# EAGLE board Mk4 Final a Panel score 2x5 (EAGLE 9.0.1), part 18 of 29
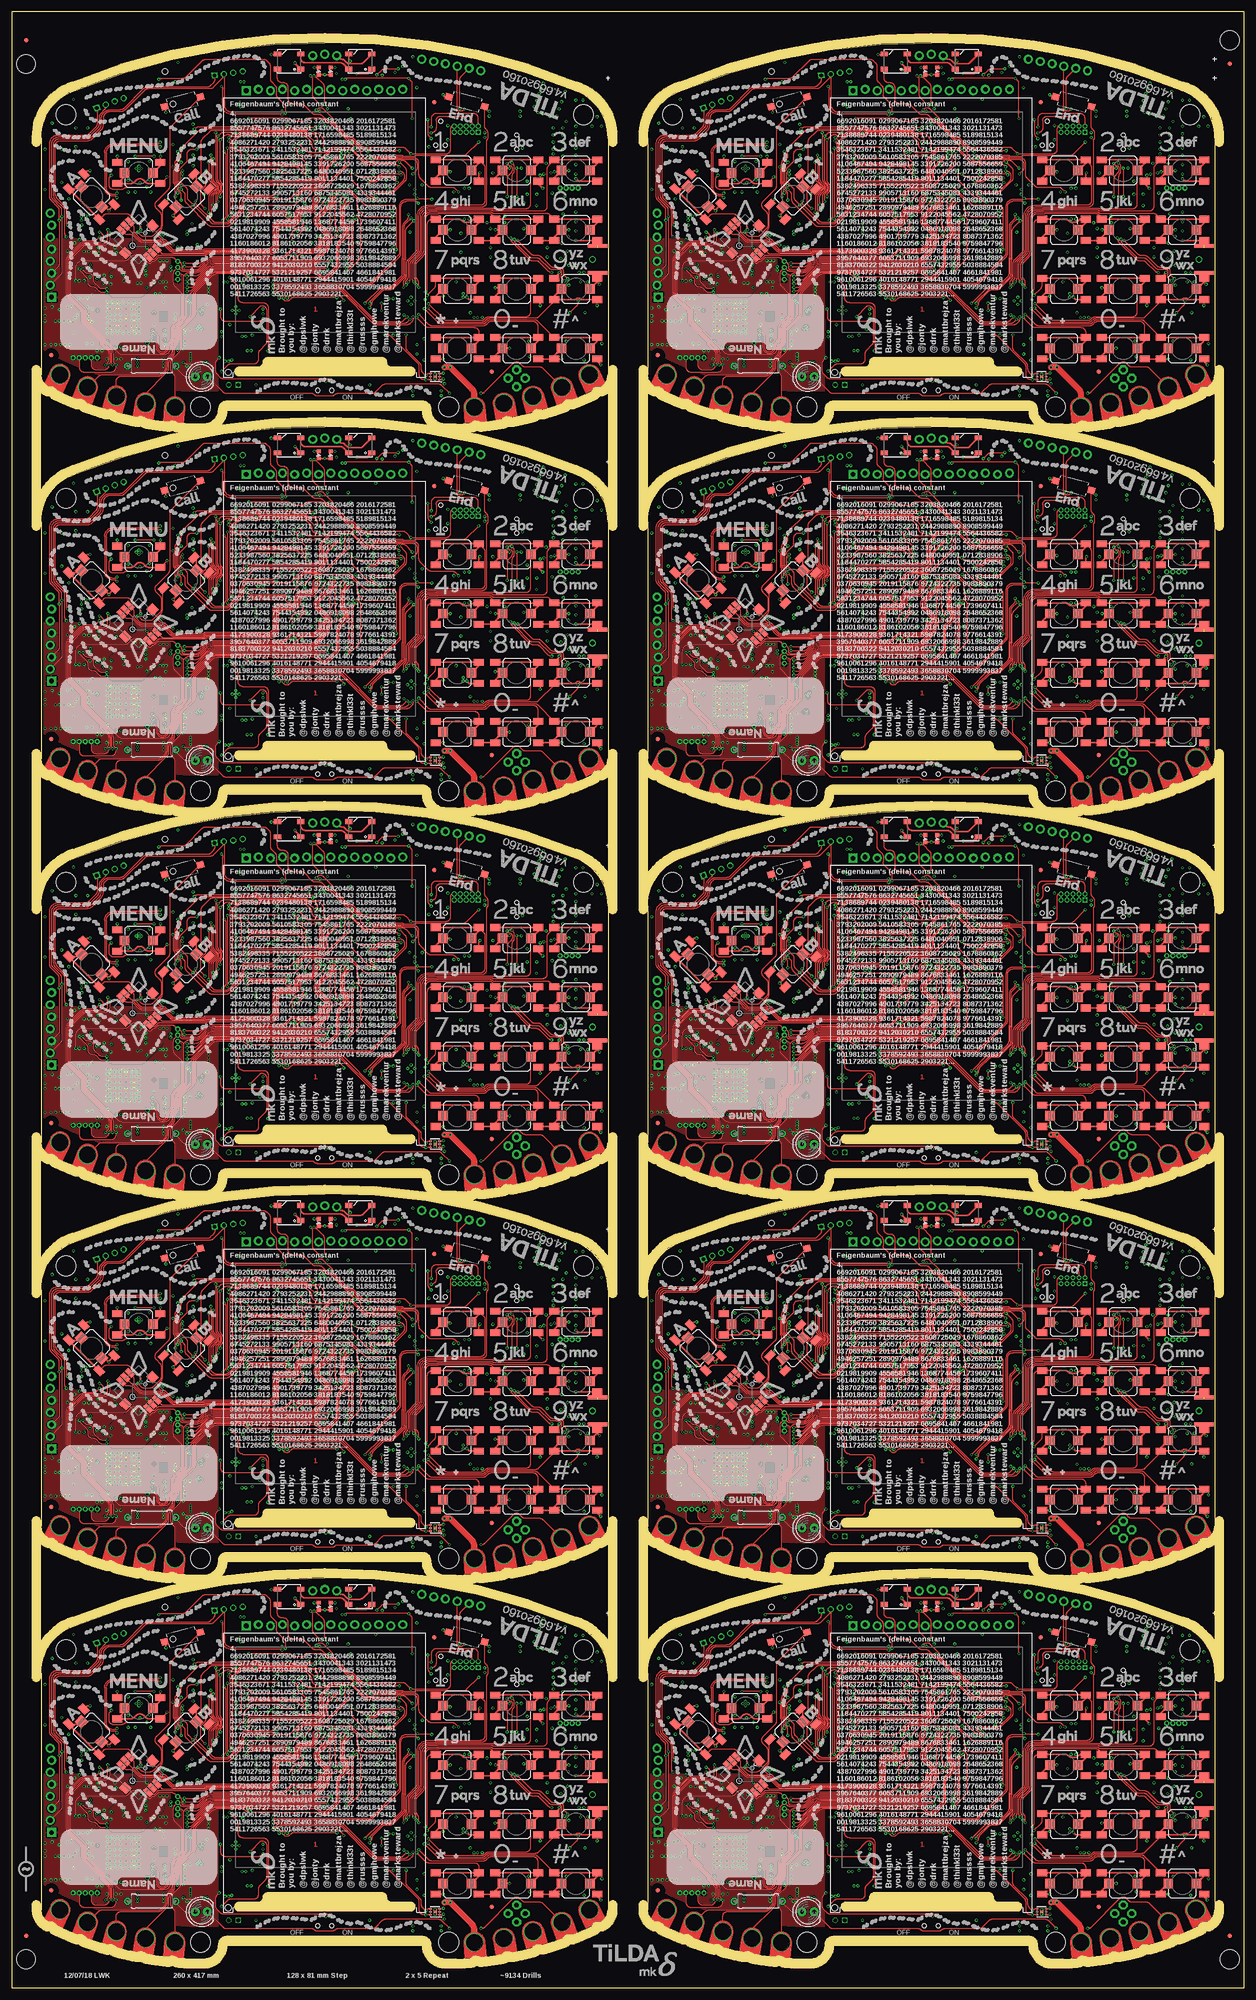
[diagram p0: board, top side]
## Tracks (layer width: path | path; a pad name or v marks a point on that pad's centre or on a via) (continued)
JOY_LEFT9  (via drill 0.3) (continued)
  Top 0.15: SW10.C 151.65,370.35 arc45 152.36,370.06 152.86,370.06 arc-45 153.56,369.76 154.53,368.8 arc45 155.59,368.36 158.67,368.36 arc-45 159.02,368.21 159.04,368.2 arc45 159.39,368.05 159.65,368.05 arc-45 160,367.9 161.3,366.61 arc45 162.36,366.18 168.44,366.18 arc45 168.83,366.34 168.87,366.38 arc-45 169.05,366.45 182.39,366.45 arc90 183.75,367.81 183.75,371.46 arc-90 184.69,372.4 186.9,372.4 arc90 188.4,373.9 188.4,374.3 arc-90 189.4,375.3 191.04,375.3 arc45 191.39,375.45 192.05,376.11 arc45 192.2,376.46 192.2,376.59 arc-45 192.35,376.95 v193.2,377.8
  Bottom 0.15: IC164.73 191,387.21 arc45 191.29,386.51 192.71,385.09 arc-45 193,384.39 193,380.11 arc45 193.29,379.41 193.51,379.19 arc-45 193.8,378.49 arc-45 193.74,378.34 v193.2,377.8
JOY_RIGHT  (via drill 0.3)
  Top 0.15: v65.2,53 65.08,53 arc45 64.73,52.85 64.65,52.77 arc45 64.5,52.42 64.5,52.33 arc-45 64.35,51.98 63.52,51.15 arc-45 63.17,51 61.45,51 arc90 60.7,50.25 60.7,49.85 arc-90 58.95,48.1 56.8,48.1 arc90 56.05,47.35 56.05,43.69 arc-90 54.51,42.15 41.17,42.15 arc45 40.99,42.08 40.86,41.95 arc-45 40.69,41.88 31.94,41.88 arc-45 31.58,42.02 SW1.B | v68,60.6 arc-45 68.24,60.7 v69.3,60.7
  Bottom 0.15: v68,60.6 66.6,60.6 arc90 65.6,59.6 65.6,56.41 arc45 65.89,55.71 66.31,55.29 arc-45 66.6,54.59 66.6,54 arc-90 65.6,53 v65.2,53 | IC1.91 70.2,65.79 70.28,65.72 70.28,65.47 arc-90 69.78,64.97 69.47,64.97 arc90 68.97,64.47 68.97,61.44 arc45 69.27,60.73 v69.3,60.7
JOY_RIGHT1  (via drill 0.3)
  Top 0.15: v193.2,53 193.08,53 arc45 192.73,52.85 192.65,52.77 arc45 192.5,52.42 192.5,52.33 arc-45 192.35,51.98 191.52,51.15 arc-45 191.17,51 189.45,51 arc90 188.7,50.25 188.7,49.85 arc-90 186.95,48.1 184.8,48.1 arc90 184.05,47.35 184.05,43.69 arc-90 182.51,42.15 169.17,42.15 arc45 168.99,42.08 168.86,41.95 arc-45 168.69,41.88 159.94,41.88 arc-45 159.58,42.02 SW2.B | v196,60.6 arc-45 196.24,60.7 v197.3,60.7
  Bottom 0.15: v196,60.6 194.6,60.6 arc90 193.6,59.6 193.6,56.41 arc45 193.89,55.71 194.31,55.29 arc-45 194.6,54.59 194.6,54 arc-90 193.6,53 v193.2,53 | IC20.91 198.2,65.79 198.28,65.72 198.28,65.47 arc-90 197.78,64.97 197.47,64.97 arc90 196.97,64.47 196.97,61.44 arc45 197.27,60.73 v197.3,60.7
JOY_RIGHT2  (via drill 0.3)
  Top 0.15: v65.2,134 65.08,134 arc45 64.73,133.85 64.65,133.77 arc45 64.5,133.42 64.5,133.33 arc-45 64.35,132.98 63.52,132.15 arc-45 63.17,132 61.45,132 arc90 60.7,131.25 60.7,130.85 arc-90 58.95,129.1 56.8,129.1 arc90 56.05,128.35 56.05,124.69 arc-90 54.51,123.15 41.17,123.15 arc45 40.99,123.08 40.86,122.95 arc-45 40.69,122.88 31.94,122.88 arc-45 31.58,123.02 SW3.B | v68,141.6 arc-45 68.24,141.7 v69.3,141.7
  Bottom 0.15: v68,141.6 66.6,141.6 arc90 65.6,140.6 65.6,137.41 arc45 65.89,136.71 66.31,136.29 arc-45 66.6,135.59 66.6,135 arc-90 65.6,134 v65.2,134 | IC38.91 70.2,146.79 70.28,146.72 70.28,146.47 arc-90 69.78,145.97 69.47,145.97 arc90 68.97,145.47 68.97,142.44 arc45 69.27,141.73 v69.3,141.7
JOY_RIGHT3  (via drill 0.3)
  Top 0.15: v193.2,134 193.08,134 arc45 192.73,133.85 192.65,133.77 arc45 192.5,133.42 192.5,133.33 arc-45 192.35,132.98 191.52,132.15 arc-45 191.17,132 189.45,132 arc90 188.7,131.25 188.7,130.85 arc-90 186.95,129.1 184.8,129.1 arc90 184.05,128.35 184.05,124.69 arc-90 182.51,123.15 169.17,123.15 arc45 168.99,123.08 168.86,122.95 arc-45 168.69,122.88 159.94,122.88 arc-45 159.58,123.02 SW4.B | v196,141.6 arc-45 196.24,141.7 v197.3,141.7
  Bottom 0.15: v196,141.6 194.6,141.6 arc90 193.6,140.6 193.6,137.41 arc45 193.89,136.71 194.31,136.29 arc-45 194.6,135.59 194.6,135 arc-90 193.6,134 v193.2,134 | IC56.91 198.2,146.79 198.28,146.72 198.28,146.47 arc-90 197.78,145.97 197.47,145.97 arc90 196.97,145.47 196.97,142.44 arc45 197.27,141.73 v197.3,141.7
JOY_RIGHT4  (via drill 0.3)
  Top 0.15: v65.2,215 65.08,215 arc45 64.73,214.85 64.65,214.77 arc45 64.5,214.42 64.5,214.33 arc-45 64.35,213.98 63.52,213.15 arc-45 63.17,213 61.45,213 arc90 60.7,212.25 60.7,211.85 arc-90 58.95,210.1 56.8,210.1 arc90 56.05,209.35 56.05,205.69 arc-90 54.51,204.15 41.17,204.15 arc45 40.99,204.08 40.86,203.95 arc-45 40.69,203.88 31.94,203.88 arc-45 31.58,204.02 SW5.B | v68,222.6 arc-45 68.24,222.7 v69.3,222.7
  Bottom 0.15: v68,222.6 66.6,222.6 arc90 65.6,221.6 65.6,218.41 arc45 65.89,217.71 66.31,217.29 arc-45 66.6,216.59 66.6,216 arc-90 65.6,215 v65.2,215 | IC74.91 70.2,227.79 70.28,227.72 70.28,227.47 arc-90 69.78,226.97 69.47,226.97 arc90 68.97,226.47 68.97,223.44 arc45 69.27,222.73 v69.3,222.7
JOY_RIGHT5  (via drill 0.3)
  Top 0.15: v193.2,215 193.08,215 arc45 192.73,214.85 192.65,214.77 arc45 192.5,214.42 192.5,214.33 arc-45 192.35,213.98 191.52,213.15 arc-45 191.17,213 189.45,213 arc90 188.7,212.25 188.7,211.85 arc-90 186.95,210.1 184.8,210.1 arc90 184.05,209.35 184.05,205.69 arc-90 182.51,204.15 169.17,204.15 arc45 168.99,204.08 168.86,203.95 arc-45 168.69,203.88 159.94,203.88 arc-45 159.58,204.02 SW6.B | v196,222.6 arc-45 196.24,222.7 v197.3,222.7
  Bottom 0.15: v196,222.6 194.6,222.6 arc90 193.6,221.6 193.6,218.41 arc45 193.89,217.71 194.31,217.29 arc-45 194.6,216.59 194.6,216 arc-90 193.6,215 v193.2,215 | IC92.91 198.2,227.79 198.28,227.72 198.28,227.47 arc-90 197.78,226.97 197.47,226.97 arc90 196.97,226.47 196.97,223.44 arc45 197.27,222.73 v197.3,222.7
JOY_RIGHT6  (via drill 0.3)
  Top 0.15: v65.2,296 65.08,296 arc45 64.73,295.85 64.65,295.77 arc45 64.5,295.42 64.5,295.33 arc-45 64.35,294.98 63.52,294.15 arc-45 63.17,294 61.45,294 arc90 60.7,293.25 60.7,292.85 arc-90 58.95,291.1 56.8,291.1 arc90 56.05,290.35 56.05,286.69 arc-90 54.51,285.15 41.17,285.15 arc45 40.99,285.08 40.86,284.95 arc-45 40.69,284.88 31.94,284.88 arc-45 31.58,285.02 SW7.B | v68,303.6 arc-45 68.24,303.7 v69.3,303.7
  Bottom 0.15: v68,303.6 66.6,303.6 arc90 65.6,302.6 65.6,299.41 arc45 65.89,298.71 66.31,298.29 arc-45 66.6,297.59 66.6,297 arc-90 65.6,296 v65.2,296 | IC110.91 70.2,308.79 70.28,308.72 70.28,308.48 arc-90 69.78,307.98 69.47,307.98 arc90 68.97,307.48 68.97,304.44 arc45 69.27,303.73 v69.3,303.7
JOY_RIGHT7  (via drill 0.3)
  Top 0.15: v193.2,296 193.08,296 arc45 192.73,295.85 192.65,295.77 arc45 192.5,295.42 192.5,295.33 arc-45 192.35,294.98 191.52,294.15 arc-45 191.17,294 189.45,294 arc90 188.7,293.25 188.7,292.85 arc-90 186.95,291.1 184.8,291.1 arc90 184.05,290.35 184.05,286.69 arc-90 182.51,285.15 169.17,285.15 arc45 168.99,285.08 168.86,284.95 arc-45 168.69,284.88 159.94,284.88 arc-45 159.58,285.02 SW8.B | v196,303.6 arc-45 196.24,303.7 v197.3,303.7
  Bottom 0.15: v196,303.6 194.6,303.6 arc90 193.6,302.6 193.6,299.41 arc45 193.89,298.71 194.31,298.29 arc-45 194.6,297.59 194.6,297 arc-90 193.6,296 v193.2,296 | IC128.91 198.2,308.79 198.28,308.72 198.28,308.48 arc-90 197.78,307.98 197.47,307.98 arc90 196.97,307.48 196.97,304.44 arc45 197.27,303.73 v197.3,303.7
JOY_RIGHT8  (via drill 0.3)
  Top 0.15: v65.2,377 65.08,377 arc45 64.73,376.85 64.65,376.77 arc45 64.5,376.42 64.5,376.33 arc-45 64.35,375.98 63.52,375.15 arc-45 63.17,375 61.45,375 arc90 60.7,374.25 60.7,373.85 arc-90 58.95,372.1 56.8,372.1 arc90 56.05,371.35 56.05,367.69 arc-90 54.51,366.15 41.17,366.15 arc45 40.99,366.08 40.86,365.95 arc-45 40.69,365.88 31.94,365.88 arc-45 31.58,366.02 SW9.B | v68,384.6 arc-45 68.24,384.7 v69.3,384.7
  Bottom 0.15: v68,384.6 66.6,384.6 arc90 65.6,383.6 65.6,380.41 arc45 65.89,379.71 66.31,379.29 arc-45 66.6,378.59 66.6,378 arc-90 65.6,377 v65.2,377 | IC146.91 70.2,389.79 70.28,389.72 70.28,389.48 arc-90 69.78,388.98 69.47,388.98 arc90 68.97,388.48 68.97,385.44 arc45 69.27,384.73 v69.3,384.7
JOY_RIGHT9  (via drill 0.3)
  Top 0.15: v193.2,377 193.08,377 arc45 192.73,376.85 192.65,376.77 arc45 192.5,376.42 192.5,376.33 arc-45 192.35,375.98 191.52,375.15 arc-45 191.17,375 189.45,375 arc90 188.7,374.25 188.7,373.85 arc-90 186.95,372.1 184.8,372.1 arc90 184.05,371.35 184.05,367.69 arc-90 182.51,366.15 169.17,366.15 arc45 168.99,366.08 168.86,365.95 arc-45 168.69,365.88 159.94,365.88 arc-45 159.58,366.02 SW10.B | v196,384.6 arc-45 196.24,384.7 v197.3,384.7
  Bottom 0.15: v196,384.6 194.6,384.6 arc90 193.6,383.6 193.6,380.41 arc45 193.89,379.71 194.31,379.29 arc-45 194.6,378.59 194.6,378 arc-90 193.6,377 v193.2,377 | IC164.91 198.2,389.79 198.28,389.72 198.28,389.48 arc-90 197.78,388.98 197.47,388.98 arc90 196.97,388.48 196.97,385.44 arc45 197.27,384.73 v197.3,384.7
JOY_UP  (via drill 0.3)
  Top 0.15: SW1.A 25.4,48.2 arc-45 25.69,47.49 25.69,47 arc45 25.99,46.29 27.02,45.25 arc45 27.73,44.96 30.92,44.96 arc-45 31.27,44.81 31.29,44.8 arc45 31.64,44.65 31.9,44.65 arc-45 32.25,44.5 33.69,43.07 arc45 34.4,42.77 40.31,42.77 arc45 40.49,42.85 40.62,42.98 arc-45 40.8,43.05 54.15,43.05 arc90 55.15,44.05 55.15,47.72 arc-90 56.43,49 58.8,49 arc90 59.8,50 59.8,50.4 arc-90 61.3,51.9 62.79,51.9 arc45 63.15,52.05 63.45,52.35 arc45 63.6,52.71 63.6,53.59 arc-45 63.75,53.95 v64.4,54.6
  Bottom 0.15: IC1.71 62.2,62.81 arc45 62.49,62.11 64.11,60.49 arc-45 64.4,59.79 v64.4,54.6
JOY_UP1  (via drill 0.3)
  Top 0.15: SW2.A 153.4,48.2 arc-45 153.69,47.49 153.69,47 arc45 153.99,46.29 155.02,45.25 arc45 155.73,44.96 158.92,44.96 arc-45 159.27,44.81 159.29,44.8 arc45 159.64,44.65 159.9,44.65 arc-45 160.25,44.5 161.69,43.07 arc45 162.4,42.77 168.31,42.77 arc45 168.49,42.85 168.62,42.98 arc-45 168.8,43.05 182.15,43.05 arc90 183.15,44.05 183.15,47.72 arc-90 184.43,49 186.8,49 arc90 187.8,50 187.8,50.4 arc-90 189.3,51.9 190.79,51.9 arc45 191.15,52.05 191.45,52.35 arc45 191.6,52.71 191.6,53.59 arc-45 191.75,53.95 v192.4,54.6
  Bottom 0.15: IC20.71 190.2,62.81 arc45 190.49,62.11 192.11,60.49 arc-45 192.4,59.79 v192.4,54.6
JOY_UP2  (via drill 0.3)
  Top 0.15: SW3.A 25.4,129.2 arc-45 25.69,128.5 25.69,128 arc45 25.99,127.29 27.02,126.25 arc45 27.73,125.96 30.92,125.96 arc-45 31.27,125.81 31.29,125.8 arc45 31.64,125.65 31.9,125.65 arc-45 32.25,125.5 33.69,124.07 arc45 34.4,123.78 40.31,123.78 arc45 40.49,123.85 40.62,123.98 arc-45 40.8,124.05 54.15,124.05 arc90 55.15,125.05 55.15,128.72 arc-90 56.43,130 58.8,130 arc90 59.8,131 59.8,131.4 arc-90 61.3,132.9 62.79,132.9 arc45 63.15,133.05 63.45,133.35 arc45 63.6,133.71 63.6,134.59 arc-45 63.75,134.95 v64.4,135.6
  Bottom 0.15: IC38.71 62.2,143.81 arc45 62.49,143.11 64.11,141.49 arc-45 64.4,140.79 v64.4,135.6
JOY_UP3  (via drill 0.3)
  Top 0.15: SW4.A 153.4,129.2 arc-45 153.69,128.5 153.69,128 arc45 153.99,127.29 155.02,126.25 arc45 155.73,125.96 158.92,125.96 arc-45 159.27,125.81 159.29,125.8 arc45 159.64,125.65 159.9,125.65 arc-45 160.25,125.5 161.69,124.07 arc45 162.4,123.78 168.31,123.78 arc45 168.49,123.85 168.62,123.98 arc-45 168.8,124.05 182.15,124.05 arc90 183.15,125.05 183.15,128.72 arc-90 184.43,130 186.8,130 arc90 187.8,131 187.8,131.4 arc-90 189.3,132.9 190.79,132.9 arc45 191.15,133.05 191.45,133.35 arc45 191.6,133.71 191.6,134.59 arc-45 191.75,134.95 v192.4,135.6
  Bottom 0.15: IC56.71 190.2,143.81 arc45 190.49,143.11 192.11,141.49 arc-45 192.4,140.79 v192.4,135.6
JOY_UP4  (via drill 0.3)
  Top 0.15: SW5.A 25.4,210.2 arc-45 25.69,209.5 25.69,209 arc45 25.99,208.29 27.02,207.25 arc45 27.73,206.96 30.92,206.96 arc-45 31.27,206.81 31.29,206.8 arc45 31.64,206.65 31.9,206.65 arc-45 32.25,206.5 33.69,205.07 arc45 34.4,204.78 40.31,204.78 arc45 40.49,204.85 40.62,204.98 arc-45 40.8,205.05 54.15,205.05 arc90 55.15,206.05 55.15,209.72 arc-90 56.43,211 58.8,211 arc90 59.8,212 59.8,212.4 arc-90 61.3,213.9 62.79,213.9 arc45 63.15,214.05 63.45,214.35 arc45 63.6,214.71 63.6,215.59 arc-45 63.75,215.95 v64.4,216.6
  Bottom 0.15: IC74.71 62.2,224.81 arc45 62.49,224.11 64.11,222.49 arc-45 64.4,221.79 v64.4,216.6
JOY_UP5  (via drill 0.3)
  Top 0.15: SW6.A 153.4,210.2 arc-45 153.69,209.5 153.69,209 arc45 153.99,208.29 155.02,207.25 arc45 155.73,206.96 158.92,206.96 arc-45 159.27,206.81 159.29,206.8 arc45 159.64,206.65 159.9,206.65 arc-45 160.25,206.5 161.69,205.07 arc45 162.4,204.78 168.31,204.78 arc45 168.49,204.85 168.62,204.98 arc-45 168.8,205.05 182.15,205.05 arc90 183.15,206.05 183.15,209.72 arc-90 184.43,211 186.8,211 arc90 187.8,212 187.8,212.4 arc-90 189.3,213.9 190.79,213.9 arc45 191.15,214.05 191.45,214.35 arc45 191.6,214.71 191.6,215.59 arc-45 191.75,215.95 v192.4,216.6
  Bottom 0.15: IC92.71 190.2,224.81 arc45 190.49,224.11 192.11,222.49 arc-45 192.4,221.79 v192.4,216.6
JOY_UP6  (via drill 0.3)
  Top 0.15: SW7.A 25.4,291.2 arc-45 25.69,290.5 25.69,290 arc45 25.99,289.29 27.02,288.25 arc45 27.73,287.96 30.92,287.96 arc-45 31.27,287.81 31.29,287.8 arc45 31.64,287.65 31.9,287.65 arc-45 32.25,287.5 33.69,286.07 arc45 34.4,285.77 40.31,285.77 arc45 40.49,285.85 40.62,285.98 arc-45 40.8,286.05 54.15,286.05 arc90 55.15,287.05 55.15,290.72 arc-90 56.43,292 58.8,292 arc90 59.8,293 59.8,293.4 arc-90 61.3,294.9 62.79,294.9 arc45 63.15,295.05 63.45,295.35 arc45 63.6,295.71 63.6,296.59 arc-45 63.75,296.95 v64.4,297.6
  Bottom 0.15: IC110.71 62.2,305.81 arc45 62.49,305.11 64.11,303.49 arc-45 64.4,302.79 v64.4,297.6
JOY_UP7  (via drill 0.3)
  Top 0.15: SW8.A 153.4,291.2 arc-45 153.69,290.5 153.69,290 arc45 153.99,289.29 155.02,288.25 arc45 155.73,287.96 158.92,287.96 arc-45 159.27,287.81 159.29,287.8 arc45 159.64,287.65 159.9,287.65 arc-45 160.25,287.5 161.69,286.07 arc45 162.4,285.77 168.31,285.77 arc45 168.49,285.85 168.62,285.98 arc-45 168.8,286.05 182.15,286.05 arc90 183.15,287.05 183.15,290.72 arc-90 184.43,292 186.8,292 arc90 187.8,293 187.8,293.4 arc-90 189.3,294.9 190.79,294.9 arc45 191.15,295.05 191.45,295.35 arc45 191.6,295.71 191.6,296.59 arc-45 191.75,296.95 v192.4,297.6
  Bottom 0.15: IC128.71 190.2,305.81 arc45 190.49,305.11 192.11,303.49 arc-45 192.4,302.79 v192.4,297.6
JOY_UP8  (via drill 0.3)
  Top 0.15: SW9.A 25.4,372.2 arc-45 25.69,371.5 25.69,371 arc45 25.99,370.29 27.02,369.25 arc45 27.73,368.96 30.92,368.96 arc-45 31.27,368.81 31.29,368.8 arc45 31.64,368.65 31.9,368.65 arc-45 32.25,368.5 33.69,367.07 arc45 34.4,366.77 40.31,366.77 arc45 40.49,366.85 40.62,366.98 arc-45 40.8,367.05 54.15,367.05 arc90 55.15,368.05 55.15,371.72 arc-90 56.43,373 58.8,373 arc90 59.8,374 59.8,374.4 arc-90 61.3,375.9 62.79,375.9 arc45 63.15,376.05 63.45,376.35 arc45 63.6,376.71 63.6,377.59 arc-45 63.75,377.95 v64.4,378.6
  Bottom 0.15: IC146.71 62.2,386.81 arc45 62.49,386.11 64.11,384.49 arc-45 64.4,383.79 v64.4,378.6
JOY_UP9  (via drill 0.3)
  Top 0.15: SW10.A 153.4,372.2 arc-45 153.69,371.5 153.69,371 arc45 153.99,370.29 155.02,369.25 arc45 155.73,368.96 158.92,368.96 arc-45 159.27,368.81 159.29,368.8 arc45 159.64,368.65 159.9,368.65 arc-45 160.25,368.5 161.69,367.07 arc45 162.4,366.77 168.31,366.77 arc45 168.49,366.85 168.62,366.98 arc-45 168.8,367.05 182.15,367.05 arc90 183.15,368.05 183.15,371.72 arc-90 184.43,373 186.8,373 arc90 187.8,374 187.8,374.4 arc-90 189.3,375.9 190.79,375.9 arc45 191.15,376.05 191.45,376.35 arc45 191.6,376.71 191.6,377.59 arc-45 191.75,377.95 v192.4,378.6
  Bottom 0.15: IC164.71 190.2,386.81 arc45 190.49,386.11 192.11,384.49 arc-45 192.4,383.79 v192.4,378.6
LCD_!RST  (via drill 0.3)
  Top 0.15: v71.6,59.6 71.6,57.91 arc45 71.89,57.21 75.43,53.67 arc45 75.78,53.52 76.26,53.52 arc-45 76.61,53.38 76.95,53.05 arc45 77.3,52.9 v77.6,52.9
  Bottom 0.15: IC1.111 v71.6,59.6 | v77.6,52.9 78.01,52.49 arc-45 78.3,51.79 78.3,48.21 arc-45 78.01,47.5 77.87,47.36 arc45 77.72,47.01 77.72,46.9 arc-90 77.22,46.4 74.75,46.4 arc90 73.75,45.4 J2.10
LCD_!RST1  (via drill 0.3)
  Top 0.15: v199.6,59.6 199.6,57.91 arc45 199.89,57.21 203.43,53.67 arc45 203.78,53.52 204.26,53.52 arc-45 204.61,53.38 204.95,53.05 arc45 205.3,52.9 v205.6,52.9
  Bottom 0.15: IC20.111 v199.6,59.6 | v205.6,52.9 206.01,52.49 arc-45 206.3,51.79 206.3,48.21 arc-45 206.01,47.5 205.87,47.36 arc45 205.72,47.01 205.72,46.9 arc-90 205.22,46.4 202.75,46.4 arc90 201.75,45.4 J6.10
LCD_!RST2  (via drill 0.3)
  Top 0.15: v71.6,140.6 71.6,138.91 arc45 71.89,138.21 75.43,134.67 arc45 75.78,134.53 76.26,134.53 arc-45 76.61,134.38 76.95,134.05 arc45 77.3,133.9 v77.6,133.9
  Bottom 0.15: IC38.111 v71.6,140.6 | v77.6,133.9 78.01,133.49 arc-45 78.3,132.79 78.3,129.21 arc-45 78.01,128.5 77.87,128.36 arc45 77.72,128.01 77.72,127.9 arc-90 77.22,127.4 74.75,127.4 arc90 73.75,126.4 J21.10
LCD_!RST3  (via drill 0.3)
  Top 0.15: v199.6,140.6 199.6,138.91 arc45 199.89,138.21 203.43,134.67 arc45 203.78,134.53 204.26,134.53 arc-45 204.61,134.38 204.95,134.05 arc45 205.3,133.9 v205.6,133.9
  Bottom 0.15: IC56.111 v199.6,140.6 | v205.6,133.9 206.01,133.49 arc-45 206.3,132.79 206.3,129.21 arc-45 206.01,128.5 205.87,128.36 arc45 205.72,128.01 205.72,127.9 arc-90 205.22,127.4 202.75,127.4 arc90 201.75,126.4 J31.10
LCD_!RST4  (via drill 0.3)
  Top 0.15: v71.6,221.6 71.6,219.91 arc45 71.89,219.21 75.43,215.67 arc45 75.78,215.53 76.26,215.53 arc-45 76.61,215.38 76.95,215.05 arc45 77.3,214.9 v77.6,214.9
  Bottom 0.15: IC74.111 v71.6,221.6 | v77.6,214.9 78.01,214.49 arc-45 78.3,213.79 78.3,210.21 arc-45 78.01,209.5 77.87,209.36 arc45 77.72,209.01 77.72,208.9 arc-90 77.22,208.4 74.75,208.4 arc90 73.75,207.4 J41.10
LCD_!RST5  (via drill 0.3)
  Top 0.15: v199.6,221.6 199.6,219.91 arc45 199.89,219.21 203.43,215.67 arc45 203.78,215.53 204.26,215.53 arc-45 204.61,215.38 204.95,215.05 arc45 205.3,214.9 v205.6,214.9
  Bottom 0.15: IC92.111 v199.6,221.6 | v205.6,214.9 206.01,214.49 arc-45 206.3,213.79 206.3,210.21 arc-45 206.01,209.5 205.87,209.36 arc45 205.72,209.01 205.72,208.9 arc-90 205.22,208.4 202.75,208.4 arc90 201.75,207.4 J51.10
LCD_!RST6  (via drill 0.3)
  Top 0.15: v71.6,302.6 71.6,300.91 arc45 71.89,300.21 75.43,296.67 arc45 75.78,296.52 76.26,296.52 arc-45 76.61,296.38 76.95,296.05 arc45 77.3,295.9 v77.6,295.9
  Bottom 0.15: IC110.111 v71.6,302.6 | v77.6,295.9 78.01,295.49 arc-45 78.3,294.79 78.3,291.21 arc-45 78.01,290.5 77.87,290.36 arc45 77.72,290.01 77.72,289.9 arc-90 77.22,289.4 74.75,289.4 arc90 73.75,288.4 J61.10
LCD_!RST7  (via drill 0.3)
  Top 0.15: v199.6,302.6 199.6,300.91 arc45 199.89,300.21 203.43,296.67 arc45 203.78,296.52 204.26,296.52 arc-45 204.61,296.38 204.95,296.05 arc45 205.3,295.9 v205.6,295.9
  Bottom 0.15: IC128.111 v199.6,302.6 | v205.6,295.9 206.01,295.49 arc-45 206.3,294.79 206.3,291.21 arc-45 206.01,290.5 205.87,290.36 arc45 205.72,290.01 205.72,289.9 arc-90 205.22,289.4 202.75,289.4 arc90 201.75,288.4 J71.10
LCD_!RST8  (via drill 0.3)
  Top 0.15: v71.6,383.6 71.6,381.91 arc45 71.89,381.21 75.43,377.67 arc45 75.78,377.52 76.26,377.52 arc-45 76.61,377.38 76.95,377.05 arc45 77.3,376.9 v77.6,376.9
  Bottom 0.15: IC146.111 v71.6,383.6 | v77.6,376.9 78.01,376.49 arc-45 78.3,375.79 78.3,372.21 arc-45 78.01,371.5 77.87,371.36 arc45 77.72,371.01 77.72,370.9 arc-90 77.22,370.4 74.75,370.4 arc90 73.75,369.4 J81.10
LCD_!RST9  (via drill 0.3)
  Top 0.15: v199.6,383.6 199.6,381.91 arc45 199.89,381.21 203.43,377.67 arc45 203.78,377.52 204.26,377.52 arc-45 204.61,377.38 204.95,377.05 arc45 205.3,376.9 v205.6,376.9
  Bottom 0.15: IC164.111 v199.6,383.6 | v205.6,376.9 206.01,376.49 arc-45 206.3,375.79 206.3,372.21 arc-45 206.01,371.5 205.87,371.36 arc45 205.72,371.01 205.72,370.9 arc-90 205.22,370.4 202.75,370.4 arc90 201.75,369.4 J91.10
LCD_DCX
  Bottom 0.15: J2.36 60.75,43.89 arc-45 61.04,44.59 61.21,44.76 arc45 61.5,45.46 61.5,47.69 arc-45 61.65,48.05 62.65,49.05 arc-45 63.01,49.2 63.14,49.2 arc45 63.5,49.35 64.45,50.3 arc45 64.6,50.66 IC1.20
LCD_DCX1
  Bottom 0.15: J6.36 188.75,43.89 arc-45 189.04,44.59 189.21,44.76 arc45 189.5,45.46 189.5,47.69 arc-45 189.65,48.05 190.65,49.05 arc-45 191.01,49.2 191.14,49.2 arc45 191.5,49.35 192.45,50.3 arc45 192.6,50.66 IC20.20
LCD_DCX2
  Bottom 0.15: J21.36 60.75,124.89 arc-45 61.04,125.59 61.21,125.76 arc45 61.5,126.46 61.5,128.69 arc-45 61.65,129.05 62.65,130.05 arc-45 63.01,130.2 63.14,130.2 arc45 63.5,130.35 64.45,131.3 arc45 64.6,131.66 IC38.20
LCD_DCX3
  Bottom 0.15: J31.36 188.75,124.89 arc-45 189.04,125.59 189.21,125.76 arc45 189.5,126.46 189.5,128.69 arc-45 189.65,129.05 190.65,130.05 arc-45 191.01,130.2 191.14,130.2 arc45 191.5,130.35 192.45,131.3 arc45 192.6,131.66 IC56.20
LCD_DCX4
  Bottom 0.15: J41.36 60.75,205.89 arc-45 61.04,206.59 61.21,206.76 arc45 61.5,207.46 61.5,209.69 arc-45 61.65,210.05 62.65,211.05 arc-45 63.01,211.2 63.14,211.2 arc45 63.5,211.35 64.45,212.3 arc45 64.6,212.66 IC74.20
LCD_DCX5
  Bottom 0.15: J51.36 188.75,205.89 arc-45 189.04,206.59 189.21,206.76 arc45 189.5,207.46 189.5,209.69 arc-45 189.65,210.05 190.65,211.05 arc-45 191.01,211.2 191.14,211.2 arc45 191.5,211.35 192.45,212.3 arc45 192.6,212.66 IC92.20
LCD_DCX6
  Bottom 0.15: J61.36 60.75,286.89 arc-45 61.04,287.59 61.21,287.76 arc45 61.5,288.46 61.5,290.69 arc-45 61.65,291.05 62.65,292.05 arc-45 63.01,292.2 63.14,292.2 arc45 63.5,292.35 64.45,293.3 arc45 64.6,293.66 IC110.20
LCD_DCX7
  Bottom 0.15: J71.36 188.75,286.89 arc-45 189.04,287.59 189.21,287.76 arc45 189.5,288.46 189.5,290.69 arc-45 189.65,291.05 190.65,292.05 arc-45 191.01,292.2 191.14,292.2 arc45 191.5,292.35 192.45,293.3 arc45 192.6,293.66 IC128.20
LCD_DCX8
  Bottom 0.15: J81.36 60.75,367.89 arc-45 61.04,368.59 61.21,368.76 arc45 61.5,369.46 61.5,371.69 arc-45 61.65,372.05 62.65,373.05 arc-45 63.01,373.2 63.14,373.2 arc45 63.5,373.35 64.45,374.3 arc45 64.6,374.66 IC146.20
LCD_DCX9
  Bottom 0.15: J91.36 188.75,367.89 arc-45 189.04,368.59 189.21,368.76 arc45 189.5,369.46 189.5,371.69 arc-45 189.65,372.05 190.65,373.05 arc-45 191.01,373.2 191.14,373.2 arc45 191.5,373.35 192.45,374.3 arc45 192.6,374.66 IC164.20
LCD_TEAR  (via drill 0.3)
  Top 0.15: v59.15,44.5 59.15,46.19 arc-45 59.44,46.89 59.76,47.21 arc-45 60.46,47.5 60.59,47.5 arc45 61.29,47.79 61.31,47.81 arc45 61.6,48.51 v61.6,49
  Bottom 0.15: J2.39 59.25,44.26 arc45 v59.15,44.5 | IC1.21 64.2,50.68 arc-45 64.05,50.33 63.37,49.65 arc-45 63.02,49.5 62.88,49.5 arc45 62.53,49.35 62.32,49.15 arc-45 61.97,49 v61.6,49
LCD_TEAR1  (via drill 0.3)
  Top 0.15: v187.15,44.5 187.15,46.19 arc-45 187.44,46.89 187.76,47.21 arc-45 188.46,47.5 188.59,47.5 arc45 189.29,47.79 189.31,47.81 arc45 189.6,48.51 v189.6,49
  Bottom 0.15: J6.39 187.25,44.26 arc45 v187.15,44.5 | IC20.21 192.2,50.68 arc-45 192.05,50.33 191.37,49.65 arc-45 191.02,49.5 190.88,49.5 arc45 190.53,49.35 190.32,49.15 arc-45 189.97,49 v189.6,49
LCD_TEAR2  (via drill 0.3)
  Top 0.15: v59.15,125.5 59.15,127.19 arc-45 59.44,127.89 59.76,128.21 arc-45 60.46,128.5 60.59,128.5 arc45 61.29,128.79 61.31,128.81 arc45 61.6,129.51 v61.6,130
  Bottom 0.15: J21.39 59.25,125.26 arc45 v59.15,125.5 | IC38.21 64.2,131.68 arc-45 64.05,131.33 63.37,130.65 arc-45 63.02,130.5 62.88,130.5 arc45 62.53,130.35 62.32,130.15 arc-45 61.97,130 v61.6,130
LCD_TEAR3  (via drill 0.3)
  Top 0.15: v187.15,125.5 187.15,127.19 arc-45 187.44,127.89 187.76,128.21 arc-45 188.46,128.5 188.59,128.5 arc45 189.29,128.79 189.31,128.81 arc45 189.6,129.51 v189.6,130
  Bottom 0.15: J31.39 187.25,125.26 arc45 v187.15,125.5 | IC56.21 192.2,131.68 arc-45 192.05,131.33 191.37,130.65 arc-45 191.02,130.5 190.88,130.5 arc45 190.53,130.35 190.32,130.15 arc-45 189.97,130 v189.6,130
LCD_TEAR4  (via drill 0.3)
  Top 0.15: v59.15,206.5 59.15,208.19 arc-45 59.44,208.89 59.76,209.21 arc-45 60.46,209.5 60.59,209.5 arc45 61.29,209.79 61.31,209.81 arc45 61.6,210.51 v61.6,211
  Bottom 0.15: J41.39 59.25,206.26 arc45 v59.15,206.5 | IC74.21 64.2,212.68 arc-45 64.05,212.33 63.37,211.65 arc-45 63.02,211.5 62.88,211.5 arc45 62.53,211.35 62.32,211.15 arc-45 61.97,211 v61.6,211
LCD_TEAR5  (via drill 0.3)
  Top 0.15: v187.15,206.5 187.15,208.19 arc-45 187.44,208.89 187.76,209.21 arc-45 188.46,209.5 188.59,209.5 arc45 189.29,209.79 189.31,209.81 arc45 189.6,210.51 v189.6,211
  Bottom 0.15: J51.39 187.25,206.26 arc45 v187.15,206.5 | IC92.21 192.2,212.68 arc-45 192.05,212.33 191.37,211.65 arc-45 191.02,211.5 190.88,211.5 arc45 190.53,211.35 190.32,211.15 arc-45 189.97,211 v189.6,211
LCD_TEAR6  (via drill 0.3)
  Top 0.15: v59.15,287.5 59.15,289.19 arc-45 59.44,289.89 59.76,290.21 arc-45 60.46,290.5 60.59,290.5 arc45 61.29,290.79 61.31,290.81 arc45 61.6,291.51 v61.6,292
  Bottom 0.15: J61.39 59.25,287.26 arc45 v59.15,287.5 | IC110.21 64.2,293.68 arc-45 64.05,293.33 63.37,292.65 arc-45 63.02,292.5 62.88,292.5 arc45 62.53,292.35 62.32,292.15 arc-45 61.97,292 v61.6,292
LCD_TEAR7  (via drill 0.3)
  Top 0.15: v187.15,287.5 187.15,289.19 arc-45 187.44,289.89 187.76,290.21 arc-45 188.46,290.5 188.59,290.5 arc45 189.29,290.79 189.31,290.81 arc45 189.6,291.51 v189.6,292
  Bottom 0.15: J71.39 187.25,287.26 arc45 v187.15,287.5 | IC128.21 192.2,293.68 arc-45 192.05,293.33 191.37,292.65 arc-45 191.02,292.5 190.88,292.5 arc45 190.53,292.35 190.32,292.15 arc-45 189.97,292 v189.6,292
LCD_TEAR8  (via drill 0.3)
  Top 0.15: v59.15,368.5 59.15,370.19 arc-45 59.44,370.89 59.76,371.21 arc-45 60.46,371.5 60.59,371.5 arc45 61.29,371.79 61.31,371.81 arc45 61.6,372.51 v61.6,373
  Bottom 0.15: J81.39 59.25,368.26 arc45 v59.15,368.5 | IC146.21 64.2,374.68 arc-45 64.05,374.33 63.37,373.65 arc-45 63.02,373.5 62.88,373.5 arc45 62.53,373.35 62.32,373.15 arc-45 61.97,373 v61.6,373